# Altium PCB sugar65V2_ARGB_QMK(1).PcbDoc (part 7 of 8)
Units mm, origin at the board's own origin, x right, y up, seen from the top; angles counter-clockwise.
Board outline 416.94 x 174.37 mm, 2 copper layers (Top Layer, Bottom Layer); 304 components, 242 nets, 11102 pads, 1014 vias.
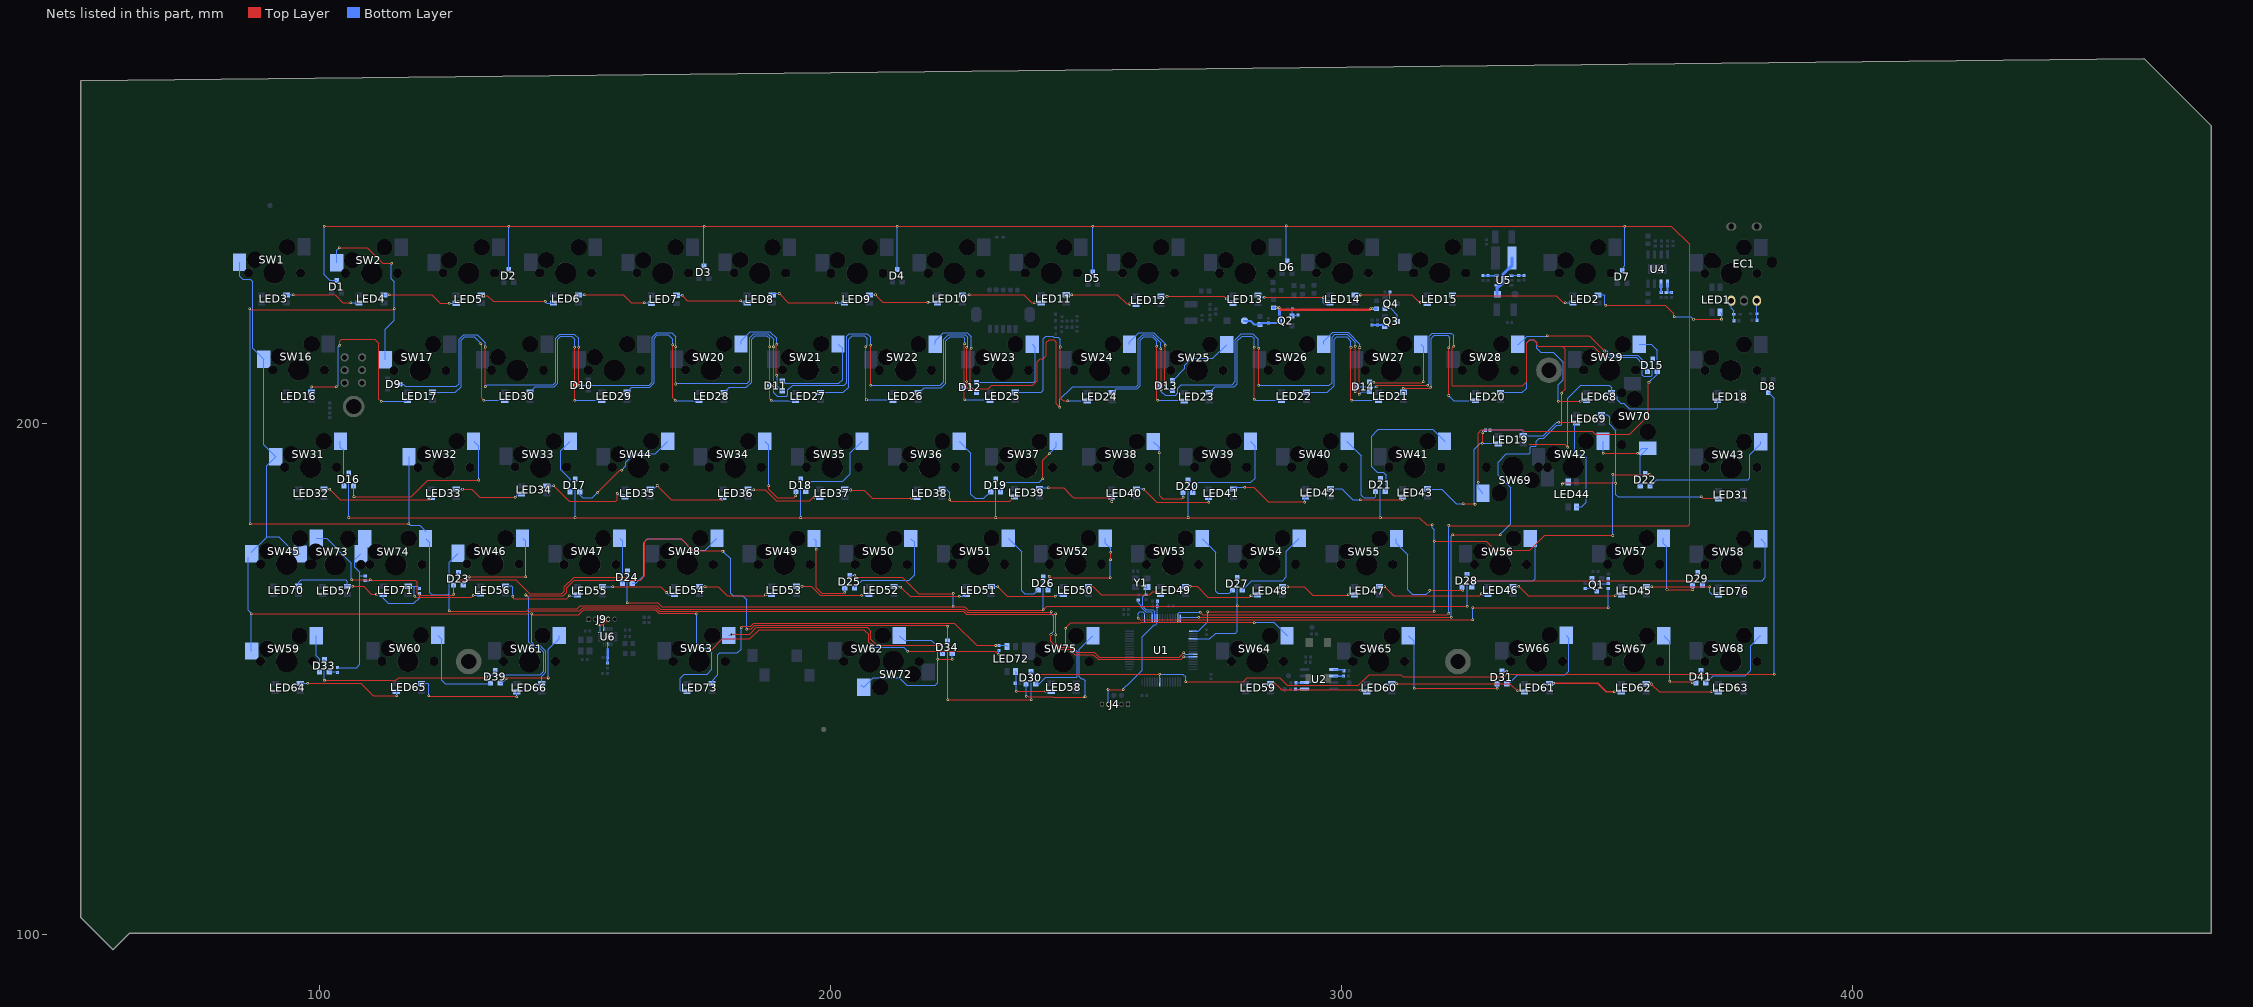
[diagram p7: the nets of this part, all layers, seen from the top]

## Via types
v1: diameter 0.5, hole 0.3, Top Layer to Bottom Layer, 1014 vias

## Nets (pads, with @x,y where several pads share a name; then routed paths per layer and width w, separated by ;. In a path a pad name is that pad's centre, name@x,y a point inside that pad or via, vN(x,y) a via of type N, cw(c..) or ccw(c..) an arc to the next point about the centre after c; other vN are vias at no path point) (continued)
NetD11_1: D11.1 SW21.2 | length 19.8
  Bottom Layer w0.2: D11.1@190.513,208.282 D11.1@190.598,208.367 ; D11.1@190.643,208.322 190.808,208.322 191.29,207.84 201.73,207.84 202.43,208.54 202.43,214.67 SW21.2@201.56,215.54
NetD11_2: D11.2 SW20.2 | length 19.6
  Top Layer w0.2: v1(189.54,215.54) 189.48,215.48 189.48,209.6 v1@189.64,209.44
  Bottom Layer w0.2: SW20.2@182.58,215.54 182.58,216.19 184.36,217.97 188.2,217.97 189.54,216.63 v1(189.54,215.54) ; v1@189.64,209.44 189.64,207.251 D11.2@190.513,206.377
  other v1: 189.6,209.43
NetD12_1: D12.1 SW23.2 | length 19.1
  Bottom Layer w0.2: D12.1@228.653,208.022 228.656,208.02 239.84,208.02 240.18,208.36 240.18,214.86 SW23.2@239.54,215.5
NetD12_2: D12.2 SW22.2 | length 20.1
  Top Layer w0.2: v1(227.45,207.47) 227.45,214.59 v1(227.61,214.75)
  Bottom Layer w0.2: SW22.2@220.57,215.49 220.57,215.95 SW22.2@220.705,216.085 ; SW22.2@220.57,216.22 222.14,217.79 223.66,217.79 226.8,217.79 227.61,216.98 v1(227.61,214.75) ; v1(227.45,207.47) 227.45,207.321 D12.2@228.653,206.117
NetD13_1: D13.1 SW25.2 | length 13.9
  Bottom Layer w0.2: D13.1@267.003,208.372 269.4,210.769 269.4,211.354 270.806,212.76 274.92,212.76 SW25.2@277.6,215.44
NetD13_2: D13.2 SW24.2 | length 19.1
  Top Layer w0.2: v1@265.52,207.62 265.52,210.877 ; 265.54,210.897 v1(265.54,215.27)
  Bottom Layer w0.2: SW24.2@258.58,215.48 258.58,215.91 260.44,217.77 263.321,217.77 265.54,215.551 v1(265.54,215.27) ; v1(265.57,207.57) 265.57,207.26 266.363,206.467 D13.2@267.003,206.467
NetD14_1: D14.1 SW27.2 | length 18.3
  Top Layer w0.2: v1(306.38,208.08) 306.54,207.92 315.79,207.92 v1(316.07,208.2)
  Bottom Layer w0.2: D14.1@305.513,208.142 306.318,208.142 v1(306.38,208.08) ; SW27.2@315.58,215.48 316.12,214.94 316.12,208.25 v1(316.07,208.2)
NetD14_2: D14.2 SW26.2 | length 21.4
  Top Layer w0.2: v1(303.55,205.74) 303.5,205.79 303.5,214.7 v1(303.66,214.86)
  Bottom Layer w0.2: SW26.2@296.61,215.48 296.61,216.1 298.32,217.81 301.376,217.81 303.66,215.526 v1(303.66,214.86) ; v1(303.55,205.74) 304.047,206.237 D14.2@305.513,206.237
NetD15_1: D15.1 SW29.2 SW69.2 | length 65.5
  Top Layer w0.2: v1(326.79,188.49) 326.79,198.11 327.43,198.75 335.43,198.75 335.73,198.45 349.13,198.45 349.72,197.86 356.47,197.86 360.11,201.5 360.11,207.91 v1(360.23,208.03)
  Bottom Layer w0.2: v1(326.79,188.49) 326.79,187.29 SW69.2@327.73,186.35 ; SW29.2@358.34,215.52 360.64,215.52 361.832,214.328 D15.1@361.832,209.897 ; v1(360.23,208.03) 361.862,209.662 D15.1@361.862,210.197
NetD15_2: D15.2 SW28.2 | length 30
  Top Layer w0.2: v1@340.34,217.15 348.55,217.15 v1@351.52,214.18
  Bottom Layer w0.2: SW28.2@334.57,215.51 334.78,215.51 336.38,217.11 v1@340.32,217.11 ; v1(351.6,214.18) 351.93,214.18 352.18,213.93 ; 352.02,214.09 352.18,213.93 ; D15.2@359.927,209.897 359.927,211.413 358,213.34 352.77,213.34 352.18,213.93
  other v1: 340.32,217.13
NetD16_1: D16.1 SW32.2 | length 36
  Top Layer w0.2: v1(106.84,185.66) 106.879,185.62 118.02,185.62 121.24,188.84 131.11,188.84 v1(131.21,188.94)
  Bottom Layer w0.2: D16.1@106.762,187.807 106.762,185.628 106.808,185.628 v1(106.84,185.66) ; SW32.2@130.24,196.49 131.21,195.52 v1(131.21,188.94)
NetD16_2: D16.2 SW31.2 | length 9
  Bottom Layer w0.2: SW31.2@104.19,196.5 104.19,195.37 104.83,194.73 104.83,187.834 D16.2@104.857,187.807
NetD17_1: D17.1 SW44.2 | length 23.1
  Top Layer w0.2: v1(154.57,186.55) 158.89,190.87 v1(159.25,190.87)
  Bottom Layer w0.2: D17.1@151.032,186.637 151.032,186.548 151.032,186.057 151.64,185.45 153.47,185.45 v1(154.57,186.55) v1@154.57,186.54 ; v1(159.25,190.87) 160.06,191.68 160.06,192.414 161.686,194.04 165.8,194.04 SW44.2@168.26,196.5
NetD17_2: D17.2 SW33.2 | length 11.5
  Bottom Layer w0.22: D17.2@149.127,186.637 149.127,189.111 147.27,190.969 147.27,192.03 147.27,192.161 147.27,194.62 SW33.2@149.2,196.55
NetD18_1: D18.1 SW35.2 | length 17.9
  Bottom Layer w0.2: D18.1@195.223,186.707 195.223,187.512 196.37,188.66 202.46,188.66 203.99,190.19 203.99,194.24 SW35.2@206.26,196.51
NetD18_2: D18.2 SW34.2 | length 16.8
  Top Layer w0.2: v1(187.97,187.81) 187.97,187.14 189.614,185.496 189.666,185.444 192.941,185.444 v1(193.318,185.82)
  Bottom Layer w0.2: SW34.2@187.24,196.5 187.97,195.77 v1(187.97,187.81) ; v1(193.318,185.82) D18.2@193.318,186.707
NetD19_1: D19.1 SW37.2 | length 18.2
  Top Layer w0.2: v1(241.64,189.21) 241.64,192.84 v1(242.91,194.11)
  Bottom Layer w0.2: D19.1@233.343,186.647 233.343,187.503 234.37,188.53 240.96,188.53 v1(241.64,189.21) ; v1(242.91,194.11) 244.22,195.42 SW37.2@244.22,196.47
NetD19_2: D19.2 SW36.2 | length 16.1
  Bottom Layer w0.2: SW36.2@225.26,196.51 227.56,194.21 227.56,186.17 228.39,185.34 230.11,185.34 231.417,186.647 D19.2@231.438,186.647
NetD20_1: D20.1 SW39.2 | length 21.5
  Bottom Layer w0.2: D20.1@270.973,186.477 270.973,187.413 272.04,188.48 282.32,188.48 283.15,189.31 283.15,195.59 SW39.2@282.24,196.5
NetD20_2: D20.2 SW38.2 | length 17
  Top Layer w0.2: v1(264.39,194.28) 264.46,194.21 264.46,185.86 264.56,185.76 264.59,185.76 265.07,185.28 268.758,185.28 269.019,185.541 v1(269.068,185.59)
  Bottom Layer w0.2: SW38.2@263.24,196.47 264.39,195.32 v1(264.39,194.28) ; v1(269.068,185.59) D20.2@269.068,186.477
NetD21_1: D21.1 SW41.2 | length 28.5
  Bottom Layer w0.22: D21.1@308.622,186.747 308.82,186.944 308.82,189.87 308.23,190.46 307.04,190.46 306.08,191.42 305.99,191.51 305.99,197.525 307.295,198.83 317.91,198.83 SW41.2@320.23,196.51
NetD21_2: D21.2 SW40.2 | length 15.9
  Bottom Layer w0.2: SW40.2@301.2,196.51 301.2,196.41 303.92,193.69 303.92,186 304.24,185.68 304.25,185.68 304.491,185.439 305.426,185.439 306.509,185.439 306.717,185.648 D21.2@306.717,186.747
NetD22_1: D22.1 SW43.2 | length 28.2
  Bottom Layer w0.2: D22.1@360.412,187.757 360.577,187.757 361.78,188.96 379.61,188.96 379.99,189.34 379.99,193.89 382.09,195.99 SW43.2@382.09,196.44
NetD22_2: D22.2 SW42.2 SW70.2 | length 19.5
  Top Layer w0.2: v1(351.24,194.19) 357.98,194.19 v1(358,194.21)
  Bottom Layer w0.2: v1(351.24,194.19) SW42.2@351.24,196.52 ; v1(358,194.21) 358.92,195.13 SW70.2@359.99,195.13 358.507,193.647 D22.2@358.507,187.757
NetD23_1: D23.1 SW46.2 | length 20.9
  Top Layer w0.22: v1(129.36,169.98) v1(140.41,169.98)
  Bottom Layer w0.22: D23.1@128.232,168.407 129.35,169.524 v1(129.36,169.98) ; SW46.2@139.83,177.57 140.43,176.97 140.43,170 v1(140.41,169.98)
NetD23_2: D23.2 R125.1 SW45.2 | length 37.7
  Top Layer w0.2: v1(106.36,169.45) 109.96,169.45 v1(110,169.41) 110.04,169.37 118.8,169.37 119.22,168.95 119.22,166.74 119.55,166.41 126.33,166.41 v1(126.33,166.54)
  Bottom Layer w0.2: SW45.2@99.46,177.53 101.48,177.53 106.33,172.68 106.33,169.48 v1(106.36,169.45) ; R125.1@109.02,169.23 109.82,169.23 ; D23.2@126.327,168.407 126.327,166.392 126.33,166.395 v1(126.33,166.54)
NetD24_1: D24.1 SW48.2 | length 25.9
  Bottom Layer w0.2: D24.1@161.292,168.687 162.017,168.687 163.5,170.17 163.5,176.7 164.21,177.41 170.88,177.41 173.07,175.22 175.56,175.22 SW48.2@177.85,177.51
NetD24_2: D24.2 SW47.2 | length 9.1
  Bottom Layer w0.2: SW47.2@158.81,177.51 159.387,176.933 D24.2@159.387,168.687
NetD25_1: D25.1 SW50.2 | length 20.2
  Bottom Layer w0.2: D25.1@204.772,167.817 206.316,169.36 215.51,169.36 216.17,170.02 216.28,170.13 216.54,170.39 216.54,176.75 SW50.2@215.8,177.49
NetD25_2: D25.2 SW49.2 | length 16.8
  Top Layer w0.2: v1(197.29,175.35) 197.31,175.33 197.31,167.81 198.34,166.78 202.67,166.78 202.8,166.91 v1(202.87,166.98)
  Bottom Layer w0.2: SW49.2@196.83,177.49 197.29,177.03 v1(197.29,175.35) ; v1@202.867,166.983 D25.2@202.867,167.817
NetD26_1: D26.1 SW52.2 | length 23
  Top Layer w0.2: v1(242.88,170.08) 243.19,169.77 246.73,169.77 v1(254.85,169.77) ; v1@254.87,173.32 v1(254.87,174.84)
  Bottom Layer w0.2: D26.1@242.622,167.457 242.88,167.714 v1(242.88,170.08) ; SW52.2@253.82,177.52 253.82,176.6 254.87,175.55 v1(254.87,174.84) ; v1(254.85,169.77) v1@254.85,173.3
  other v1: 254.86,173.31
NetD26_2: D26.2 SW51.2 | length 15.3
  Bottom Layer w0.2: SW51.2@234.83,177.52 237.48,174.87 237.48,167.31 238.13,166.66 239.921,166.66 D26.2@240.717,167.457 D26.2@240.62,167.359
NetD27_1: D27.1 SW54.2 | length 18.3
  Bottom Layer w0.2: D27.1@280.632,167.407 280.647,167.407 282.5,169.26 288.52,169.26 289.24,169.98 289.24,174.98 SW54.2@291.79,177.53
NetD27_2: D27.2 SW53.2 | length 15.1
  Bottom Layer w0.2: SW53.2@272.81,177.49 275.46,174.84 275.46,167.75 275.46,167.62 275.46,167.16 275.84,166.78 278.101,166.78 D27.2@278.727,167.407
NetD28_1: D28.1 SW56.2 | length 19.8
  Bottom Layer w0.2: D28.1@325.563,168.453 326.38,169.27 337.63,169.27 337.99,169.63 337.99,176.09 338.29,176.39
NetD28_2: D28.2 SW55.2 | length 23.3
  Top Layer w0.2: v1@317.3,167.35 323.74,167.35 v1(323.76,167.33)
  Bottom Layer w0.2: SW55.2@310.82,177.48 310.82,176.56 313.03,174.35 313.03,167.42 313.87,166.58 316.69,166.58 317.31,167.2 v1(317.31,167.4) ; D28.2@323.658,168.027 323.658,167.432 v1(323.76,167.33)
NetD29_1: D29.1 SW58.2 | length 20.9
  Bottom Layer w0.2: D29.1@370.672,168.347 371.596,169.27 382.42,169.27 383.02,169.87 383.02,176.51 SW58.2@382.09,177.44
NetD29_2: D29.2 SW57.2 | length 16.3
  Top Layer w0.2: v1(363.749,167.51) v1(368.81,167.51)
  Bottom Layer w0.2: SW57.2@363.05,177.52 363.05,176.56 363.74,175.87 363.74,167.519 v1(363.749,167.51) ; v1(368.81,167.51) 368.767,167.552 D29.2@368.767,168.347 D29.2@368.83,168.409
NetD30_1: D30.1 SW64.2 | length 64.7
  Top Layer w0.2: v1(246.1,159.92) 246.1,160.01 247.12,161.03 260.729,161.03 260.769,161.071 282.969,161.071 v1(282.969,161.01)
  Bottom Layer w0.2: D30.1@240.252,149.192 D30.1@240.252,149.047 240.917,149.047 242.22,150.35 248.26,150.35 248.39,150.48 248.39,155.3 247.35,156.34 246.58,156.34 246.1,156.82 v1(246.1,159.92) ; v1(282.969,161.01) 283.07,161.11 286.79,161.11 SW64.2@289.41,158.49
NetD30_2: D30.2 SW75.2 | length 27.5
  Top Layer w0.2: 238.67,146.66 238.79,146.54 243.574,146.54 243.704,146.41 249.75,146.41 v1(249.88,146.54)
  Bottom Layer w0.2: v1(238.347,146.617) D30.2@238.347,149.047 ; v1(249.88,146.54) 249.88,149.66 249.5,150.04 249.15,150.04 248.79,150.4 248.79,155.81 SW75.2@251.44,158.46
NetD31_1: D31.1 SW66.2 | length 20.4
  Bottom Layer w0.2: D31.1@332.413,149.067 332.756,149.067 334.53,150.84 343.87,150.84 344.56,151.53 344.56,158.02 SW66.2@344.05,158.53
NetD31_2: D31.2 SW65.2 | length 27.9
  Top Layer w0.2: v1(314.27,148.18) 314.277,148.173 v1(330.508,148.173)
  Bottom Layer w0.2: SW65.2@313.13,158.49 314.27,157.35 v1(314.27,148.18) ; v1(330.508,148.173) D31.2@330.508,149.067
NetD33_1: D33.1 R126.1 | length 1.7
  Bottom Layer w0.2: D33.1@102.003,151.377 103.513,151.377 R126.1@103.63,151.26
NetD33_2: D33.2 SW59.2 | length 7.4
  Bottom Layer w0.2: SW59.2@99.45,158.48 99.45,154.51 100.098,153.862 D33.2@100.098,151.377
NetD34_1: D34.1 SW62.2 SW72.2 | length 37.6
  Top Layer w0.2: v1(221.02,153.9) v1(223.94,153.9)
  Bottom Layer w0.2: SW72.2@206.033,148.897 SW72.2@206.56,148.37 208.46,150.27 213.55,150.27 215.04,148.78 220.56,148.78 221.02,149.24 221.02,151.56 ; SW62.2@213.54,158.5 214.47,157.57 219.81,157.57 221.02,156.36 v1(221.02,153.9) 221.02,152.99 ; 221.02,152.41 221.02,151.56 ; 221.02,152.52 221.02,152.99 ; v1@223.913,153.927 D34.1@223.913,154.967 ; 221.02,151.56 221.02,152.99
NetD34_2: D34.2 SW63.2 | length 46.4
  Top Layer w0.2: v1(180.71,158.71) 180.77,158.77 184.27,158.77 185.58,160.08 207.25,160.08 207.96,159.37 207.96,157.81 209.17,156.6 211.85,156.6 219.4,156.6 219.41,156.61 v1(221.86,156.61)
  Bottom Layer w0.2: SW63.2@180.19,158.52 180.54,158.52 180.71,158.69 v1(180.71,158.71) ; v1(221.86,156.61) 221.86,155.114 D34.2@222.008,154.967
NetD36_2: D36.2 L2.2 U5.1 | length 8.5
  Bottom Layer w0.35: D36.2@330.45,225.402 D36.2@330.58,225.273
  Bottom Layer w0.6: D36.2@330.45,225.402 330.45,226.46 331.02,227.03 331.19,227.03 331.625,227.465 331.625,228.115 331.64,228.13 331.64,229.14 333.46,230.96 L2.2@333.46,232.37
NetD39_1: D39.1 SW61.2 | length 19.1
  Top Layer w0.18: v1(136.64,150.07) 136.81,150.24 144.85,150.24 v1(144.89,150.2)
  Bottom Layer w0.18: D39.1@135.453,149.197 135.767,149.197 v1(136.64,150.07) ; v1(144.89,150.2) 144.89,155.81 145.355,156.275
  Bottom Layer w0.2: 145.355,156.275 146.98,157.9 SW61.2@146.98,158.5
NetD39_2: D39.2 SW60.2 | length 19
  Bottom Layer w0.18: 124,151.08 124,149.71 124.65,149.06 133.411,149.06 D39.2@133.548,149.197
  Bottom Layer w0.2: SW60.2@123.21,158.54 124,157.75 124,151.08
NetD41_1: D41.1 SW68.2 | length 17.4
  Bottom Layer w0.2: D41.1@371.343,149.247 372.766,150.67 379.02,150.67 380.1,151.75 380.1,156.55 SW68.2@382.07,158.52
NetD41_2: D41.2 SW67.2 | length 14.7
  Top Layer w0.2: v1(364.329,149.58) 364.329,149.501 364.41,149.42 368.58,149.42 v1(368.71,149.29)
  Bottom Layer w0.2: SW67.2@363.11,158.46 364.329,157.241 v1(364.329,149.58) ; v1(368.71,149.29) 368.753,149.247 D41.2@369.438,149.247
NetEC1_1: EC1.1 ESD7.2 R127.2 | length 4.1
  Bottom Layer w0.2: EC1.1@376.322,224.027 376.322,222.558 376.83,222.05 376.83,220.105 R127.2@376.825,220.1
NetEC1_3: EC1.3 ESD8.2 R128.2 | length 3.8
  Bottom Layer w0.2: EC1.3@381.322,224.027 381.322,220.223 R128.2@381.345,220.2
NetLED1_1: LED1.1 LED2.3 | length 28.9
  Top Layer w0.2: v1(351.77,223.15) 363.37,223.15 365.08,221.44 365.08,220.87 v1(365.149,220.87) ; v1(368.94,220.37) v1@374.4,220.37
  Bottom Layer w0.2: LED2.3@350.24,225.14 351.46,225.14 351.61,224.99 351.61,223.31 v1(351.77,223.15) ; v1(365.149,220.87) 368.44,220.87 v1(368.94,220.37) ; LED1.1@374.15,221.76 374.42,221.49 v1(374.42,220.39)
NetLED2_1: LED2.1 LED15.3 | length 24.1
  Top Layer w0.2: v1(321.9,225.01) 342.12,225.01 343.49,223.64 v1(343.82,223.64)
  Bottom Layer w0.2: LED15.3@321.85,225.01 v1(321.9,225.01) ; v1(343.82,223.64) 345.24,223.64 LED2.1@345.34,223.54
NetLED3_3: LED3.3 LED4.1 | length 14.8
  Top Layer w0.2: v1(94.96,225.16) 103.15,225.16 104.65,223.66 v1(106.25,223.66)
  Bottom Layer w0.2: LED3.3@93.63,225.16 v1(94.96,225.16) ; v1(106.25,223.66) 107.71,223.66 LED4.1@107.8,223.57
NetLED4_3: LED4.3 LED5.1 | length 14.8
  Top Layer w0.2: v1(113.74,225.17) 122.09,225.17 123.71,223.55 v1(125.48,223.55)
  Bottom Layer w0.2: LED4.3@112.7,225.17 v1(113.74,225.17) ; v1(125.48,223.55) 126.81,223.55 LED5.1@126.84,223.52
NetLED5_3: LED5.3 LED6.1 | length 14.8
  Top Layer w0.2: v1(132.18,225.02) 132.95,225.02 134.08,223.89 v1(144.24,223.89)
  Bottom Layer w0.2: LED5.3@131.74,225.12 131.84,225.02 v1(132.18,225.02) ; v1(144.24,223.89) 144.56,223.57 LED6.1@145.88,223.57
NetLED6_3: LED6.3 LED7.1 | length 15
  Top Layer w0.2: v1(151.92,225.17) 159.52,225.17 161.1,223.59 v1(163.63,223.59)
  Bottom Layer w0.2: LED6.3@150.78,225.17 v1(151.92,225.17) ; v1(163.63,223.59) 164.92,223.59 LED7.1@165.03,223.48
NetLED7_3: LED7.3 LED8.1 | length 14.4
  Top Layer w0.2: v1(171.03,225.08) 172.09,224.02 v1(182.52,224.02)
  Bottom Layer w0.2: LED7.3@169.93,225.08 v1(171.03,225.08) ; v1(182.52,224.02) 182.71,223.83 LED8.1@183.81,223.83
NetLED8_3: LED8.3 LED9.1 | length 14.9
  Top Layer w0.2: v1(190.01,225.43) 191.83,223.61 v1(201.25,223.61)
  Bottom Layer w0.2: LED8.3@188.71,225.43 v1(190.01,225.43) ; v1(201.25,223.61) 202.73,223.61 LED9.1@202.79,223.55
NetLED9_3: LED9.3 LED10.1 | length 14
  Top Layer w0.2: v1(208.88,225.15) 210.32,223.71 v1(219.15,223.71)
  Bottom Layer w0.2: LED9.3@207.69,225.15 v1(208.88,225.15) ; v1(219.15,223.71) 220.87,223.71 LED10.1@221.01,223.57
NetLED10_3: LED10.3 LED11.1 | length 16.1
  Top Layer w0.2: v1(227.23,225.19) 237.87,225.19 239.44,223.62 v1(240,223.62)
  Bottom Layer w0.2: LED10.3@225.91,225.17 227.21,225.17 v1(227.23,225.19) ; v1(240,223.62) 241.29,223.62 LED11.1@241.32,223.59
NetLED11_3: LED11.3 LED12.1 | length 14.4
  Top Layer w0.2: v1(247.32,225.19) 256.23,225.19 258.04,223.38 v1(258.66,223.38)
  Bottom Layer w0.2: LED11.3@246.22,225.19 v1(247.32,225.19) ; v1(258.66,223.38) 259.77,223.38 LED12.1@259.85,223.3
NetLED12_3: LED12.3 LED13.1 | length 14.6
  Top Layer w0.2: v1(265.92,224.9) 277.01,224.9 v1(277.54,224.37)
  Bottom Layer w0.2: LED12.3@264.75,224.9 v1(265.92,224.9) ; v1(277.54,224.37) 278.38,223.53 LED13.1@278.8,223.53
NetLED13_3: LED13.3 LED14.1 | length 15.6
  Top Layer w0.2: v1(284.92,224.69) 296.36,224.69 v1(296.48,224.57)
  Bottom Layer w0.2: LED13.3@283.7,225.13 284.13,225.13 284.57,224.69 v1(284.92,224.69) ; v1(296.48,224.57) 296.52,224.53 296.52,223.65 296.78,223.39 297.67,223.39 LED14.1@297.82,223.54 LED14.1@297.71,223.65
NetLED14_3: LED14.3 LED15.1 | length 14.8
  Top Layer w0.2: v1(303.69,225.14) 313.85,225.14 315.31,223.68 v1(315.51,223.68)
  Bottom Layer w0.2: LED14.3@302.72,225.14 v1(303.69,225.14) ; v1(315.51,223.68) 316.68,223.68 LED15.1@316.85,223.51
NetLED16_1: LED16.1 LED17.3 | length 39.9
  Top Layer w0.22: v1(98.56,207.14) 103.39,207.14 v1(103.4,207.15) ; v1(104.06,215.31) 104.06,216.05 104.48,216.47 110.92,216.47 111.73,215.66 111.73,204.73 v1(112.14,204.32)
  Bottom Layer w0.22: LED16.1@98.52,206.15 98.52,207.1 v1(98.56,207.14) ; v1(103.4,207.15) 103.76,207.51 103.76,215.01 v1(104.06,215.31) ; v1(112.14,204.32) 117.1,204.32 LED17.3@117.28,204.5
NetLED17_1: LED17.1 LED30.3 | length 35.3
  Top Layer w0.2: v1(131.61,215.63) 131.87,215.37 131.87,204.97 v1(132.27,204.57)
  Bottom Layer w0.2: LED17.1@122.18,206.1 126.68,206.1 127.79,207.21 127.79,216.28 128.47,216.96 130.39,216.96 131.61,215.74 v1(131.61,215.63) ; v1(132.27,204.57) 136.31,204.57 LED30.3@136.35,204.53
NetLED18_3: LED18.3 LED68.1 | length 51.9
  Top Layer w0.2: 336.76,195.93 343.78,195.93 v1(344.37,195.34)
  Bottom Layer w0.2: v1(344.37,195.34) 344.36,195.35 344.36,204.96 346.84,207.44 352.46,207.44 352.9,207 LED68.1@352.9,206.06 352.98,206.06 354.004,205.036 354.004,204.646 354.743,203.907 355.316,203.907 355.893,203.33 ; 355.904,203.33 356.394,202.84 373.28,202.84 373.65,203.21 LED18.3@373.65,204.47
NetLED19_1: LED19.1 LED43.3 R129.1 | length 29.6
  Top Layer w0.2: v1(323.87,184.3) v1@326.06,184.3 ; v1(327.59,196.12) 327.68,196.21 v1@327.68,198.2
  Bottom Layer w0.2: LED43.3@316.91,187.13 319.64,187.13 322.47,184.3 v1(323.87,184.3) ; v1@326.04,184.28 326.04,194.98 327.18,196.12 v1(327.59,196.12) 330.63,196.12 LED19.1@330.73,196.02 ; v1(327.679,198.2) 327.679,198.609 327.77,198.7 R129.1@328.2,198.7 ; LED19.1@330.264,196.12 LED19.1@330.447,196.303
  other v1: 326.19,184.17
NetLED19_3: LED19.3 LED44.1 LED69.1 R129.2 | length 38.9
  Top Layer w0.2: v1(342.59,200.22) v1(346.04,200.22)
  Bottom Layer w0.2: R129.2@329.165,198.7 329.215,198.75 335.46,198.75 335.63,198.58 LED19.3@335.63,197.62 335.66,197.59 339.56,197.59 342.19,200.22 v1(342.59,200.22) ; LED69.1@345.9,199.96 LED69.1@346.04,200.1 v1(346.04,200.22) 345.73,199.91 345.73,194.47 346.36,193.84 347.36,193.84 347.94,193.26 347.94,184.56 347.05,183.67 LED44.1@346.04,183.67
NetLED20_1: LED20.1 LED68.3 | length 37.7
  Top Layer w0.2: v1(342.51,204.33) v1@346.83,204.33
  Bottom Layer w0.2: LED20.1@331.16,206.07 335.44,206.07 336.308,206.938 336.308,215.818 336.874,216.383 337.676,216.383 338.242,215.818 338.242,214.748 339.08,213.91 341.54,213.91 343.495,211.955 343.495,208.585 342.51,207.6 v1(342.51,204.33) ; v1(346.79,204.37) LED68.3@347.91,204.37
NetLED20_3: LED20.3 LED21.1 | length 36.9
  Top Layer w0.2: v1(312.18,206.88) 317.33,206.88 v1(317.56,207.11) ; v1(321.02,205.47) v1(321.02,214.85)
  Bottom Layer w0.2: LED21.1@312.17,206.1 312.17,206.87 v1(312.18,206.88) ; v1(317.56,207.11) 317.649,207.199 317.649,216.629 318.24,217.22 320.81,217.22 321.22,216.81 321.22,215.05 v1(321.02,214.85) ; v1(321.02,205.47) 322.02,204.47 LED20.3@326.26,204.47
NetLED21_3: LED21.3 LED22.1 | length 36
  Top Layer w0.2: v1(301.92,214.88) 301.92,204.64 v1(302.06,204.5)
  Bottom Layer w0.2: LED22.1@293.23,206.1 297.32,206.1 298.61,207.39 298.61,216.51 299.11,217.01 301.044,217.01 301.92,216.134 v1(301.92,214.88) v1@301.81,214.99 ; v1(302.06,204.5) LED21.3@307.27,204.5
NetLED22_3: LED22.3 LED23.1 | length 35.8
  Top Layer w0.2: v1(283.02,204.77) v1(283.02,214.88)
  Bottom Layer w0.2: LED23.1@274.2,206.03 275.33,207.16 279.09,207.16 279.7,207.77 279.7,216.184 280.625,217.11 282.55,217.11 283.02,216.64 v1(283.02,214.88) ; v1(283.02,204.77) 283.29,204.5 LED22.3@288.33,204.5
NetLED23_3: LED23.3 LED24.1 | length 35.7
  Top Layer w0.2: v1(263.91,215.1) 263.91,204.72 v1(264.07,204.56)
  Bottom Layer w0.2: LED24.1@255.21,206.05 255.97,206.81 260.096,206.81 260.69,207.404 260.69,216.31 261.35,216.97 262.99,216.97 263.91,216.05 v1(263.91,215.1) ; v1(264.07,204.56) 269.17,204.56 LED23.3@269.3,204.43
NetLED24_3: LED24.3 LED25.1 | length 36.5
  Top Layer w0.2: v1(245.01,214.96) 245.01,204.98 245.58,204.41 v1(246.46,204.41)
  Bottom Layer w0.2: LED25.1@236.22,206.12 241.32,206.12 241.71,206.51 241.71,216.53 242.23,217.05 243.59,217.05 243.772,216.868 244.342,216.868 244.36,216.85 244.64,216.85 245.01,216.48 v1(245.01,214.96) ; v1(246.46,204.41) 250.27,204.41 LED24.3@250.31,204.45
NetLED25_3: LED25.3 LED26.1 | length 35.8
  Top Layer w0.2: v1(226.34,204.62) 226.21,204.75 226.21,215.5 v1@226.35,215.64
  Bottom Layer w0.2: LED26.1@217.22,206.09 217.56,206.09 218.47,207 221.74,207 222.63,207.89 222.63,216.159 223.461,216.99 226.02,216.99 226.35,216.66 v1@226.35,215.64 ; v1(226.34,204.62) 231.22,204.62 LED25.3@231.32,204.52
  other v1: 226.306,215.596
NetLED26_3: LED26.3 LED27.1 | length 36.9
  Top Layer w0.2: v1(206.96,215.03) 206.96,204.76 v1(207.12,204.6) v1@207.21,204.69
  Bottom Layer w0.2: LED27.1@198.15,206.08 202.61,206.08 203.66,207.13 203.66,216.45 204.35,217.14 206.68,217.14 207.25,216.57 207.25,215.32 v1(206.96,215.03) ; v1(207.12,204.6) 212.21,204.6 LED26.3@212.32,204.49
NetLED27_3: LED27.3 LED28.1 | length 35.6
  Top Layer w0.2: v1(188.15,215.01) 188.15,204.85 v1(188.46,204.54)